# Altium PCB PT1000_16CH.PCBDOC (part 1 of 5) (continued)
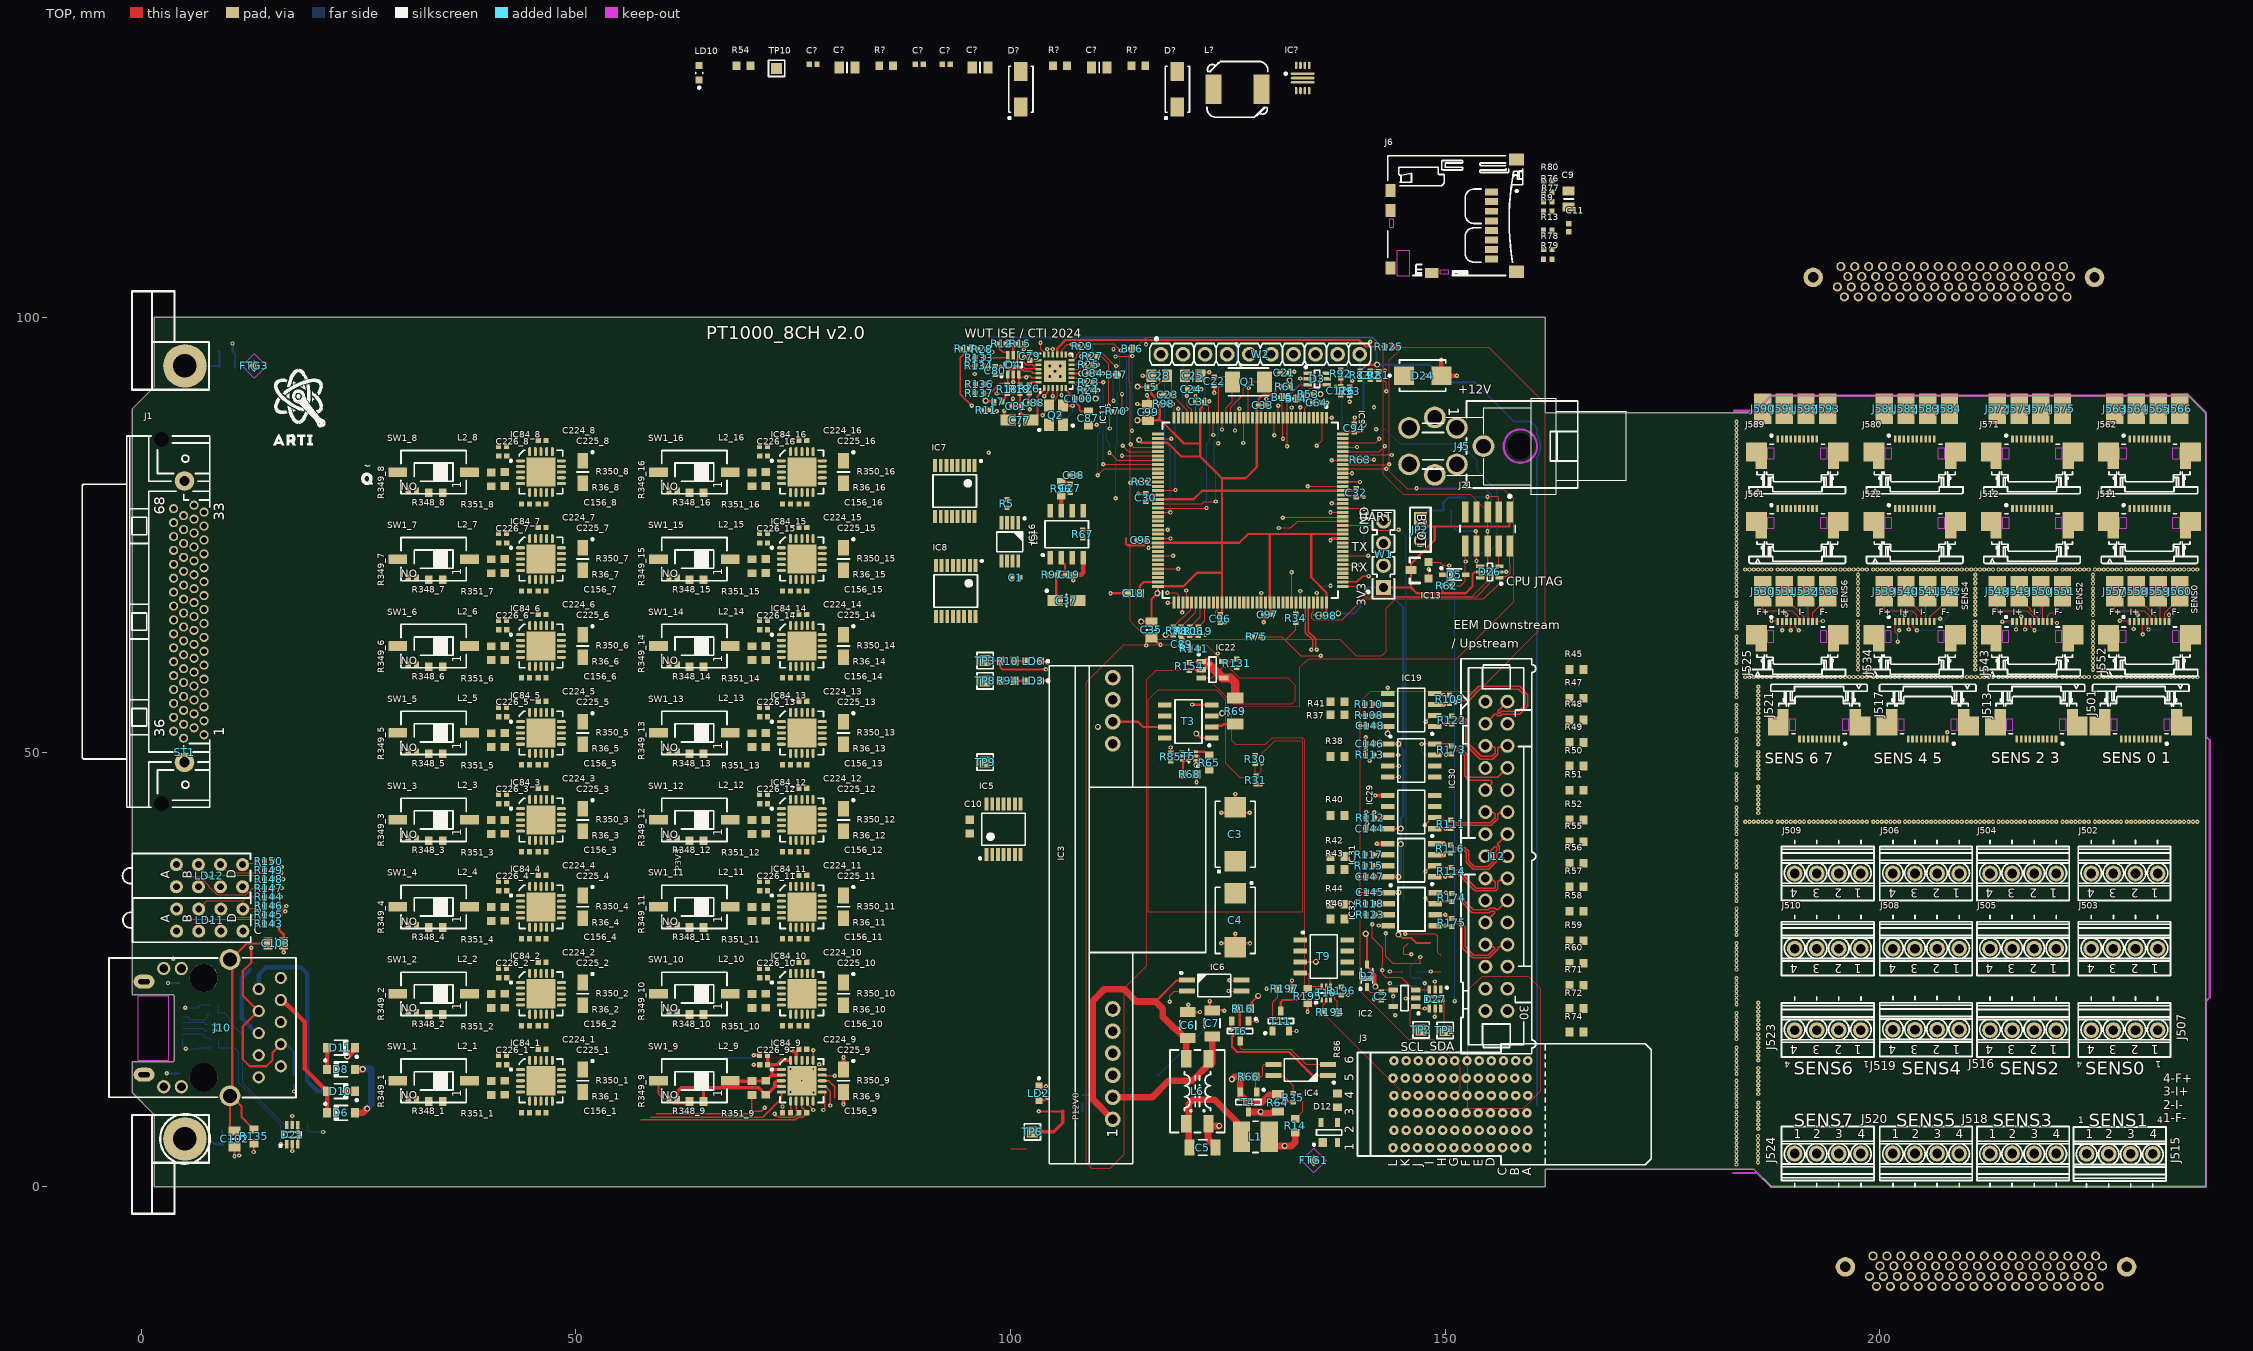
[diagram p0: TOP view]
## Classes and differential pairs
component class U_Breakout2: J500 J501 J502 J503 J504 J505 J506 J507 J508 J509 J510 J511 J512 J513 J514 J515 J516 J517 J518 J519 J520 J521 J522 J523 J524 J525 J526 J527 J528 J529 J530 J531 J532 J533 J534 J535 J536 J537 J538 J539 J540 J541 J542 J543 J544 J545 J546 J547 J548 J549 J550 J551 J552 J553 J554 J555 J556 J557 J558 J559 J560 J561 J562 J563 J564 J565 J566 J567 J568 J569 J570 J571 J572 J573 J574 J575 J576 J577 J578 J579 J580 J581 J582 J583 J584 J585 J586 J587 J588 J589 J590 J591 J592 J593 J594 J595 J596 J597
net class PWR: P12V0
component class RTD_15: C156_16 C224_16 C225_16 C226_16 IC84_16 L2_16 R36_16 R348_16 R349_16 R350_16 R351_16 SW1_16
component class RTD_14: C156_15 C224_15 C225_15 C226_15 IC84_15 L2_15 R36_15 R348_15 R349_15 R350_15 R351_15 SW1_15
component class RTD_13: C156_14 C224_14 C225_14 C226_14 IC84_14 L2_14 R36_14 R348_14 R349_14 R350_14 R351_14 SW1_14
component class RTD_12: C156_13 C224_13 C225_13 C226_13 IC84_13 L2_13 R36_13 R348_13 R349_13 R350_13 R351_13 SW1_13
component class RTD_11: C156_12 C224_12 C225_12 C226_12 IC84_12 L2_12 R36_12 R348_12 R349_12 R350_12 R351_12 SW1_12
component class RTD_10: C156_11 C224_11 C225_11 C226_11 IC84_11 L2_11 R36_11 R348_11 R349_11 R350_11 R351_11 SW1_11
component class RTD_09: C156_10 C224_10 C225_10 C226_10 IC84_10 L2_10 R36_10 R348_10 R349_10 R350_10 R351_10 SW1_10
component class RTD_08: C156_9 C224_9 C225_9 C226_9 IC84_9 L2_9 R36_9 R348_9 R349_9 R350_9 R351_9 SW1_9
component class RTD_07: C156_8 C224_8 C225_8 C226_8 IC84_8 L2_8 R36_8 R348_8 R349_8 R350_8 R351_8 SW1_8
component class RTD_06: C156_7 C224_7 C225_7 C226_7 IC84_7 L2_7 R36_7 R348_7 R349_7 R350_7 R351_7 SW1_7
component class RTD_05: C156_6 C224_6 C225_6 C226_6 IC84_6 L2_6 R36_6 R348_6 R349_6 R350_6 R351_6 SW1_6
component class RTD_04: C156_5 C224_5 C225_5 C226_5 IC84_5 L2_5 R36_5 R348_5 R349_5 R350_5 R351_5 SW1_5
channel class RTD: RTD_00 RTD_01 RTD_02 RTD_03 RTD_04 RTD_05 RTD_06 RTD_07 RTD_08 RTD_09 RTD_10 RTD_11 RTD_12 RTD_13 RTD_14 RTD_15
component class RTD_03: C156_4 C224_4 C225_4 C226_4 IC84_4 L2_4 R36_4 R348_4 R349_4 R350_4 R351_4 SW1_4
component class RTD_02: C156_3 C224_3 C225_3 C226_3 IC84_3 L2_3 R36_3 R348_3 R349_3 R350_3 R351_3 SW1_3
component class RTD_01: C156_2 C224_2 C225_2 C226_2 IC84_2 L2_2 R36_2 R348_2 R349_2 R350_2 R351_2 SW1_2
component class RTD_00: C156_1 C224_1 C225_1 C226_1 IC84_1 L2_1 R36_1 R348_1 R349_1 R350_1 R351_1 SW1_1
net class HPOW: NetC5_1 NetC5_2 NetC6_2 NetC7_2 P12V0 P12V0_IN P12V0_POE POE_VC+ POE_VC-
component class EEM_connector: C1 C2 C10 C144 C145 C146 C147 C148 D2 D12 D27 IC1 IC2 IC5 IC19 IC23 IC29 IC30 IC31 IC32 IC36 IC39 IC40 IC41 J3 J12 LD1 R5 R6 R45 R47 R48 R49 R50 R51 R52 R55 R56 R57 R58 R59 R60 R71 R72 R74 R86 R108 R109 R110 R111 R112 R113 R114 R115 R116 R117 R118 R122 R123 R173 R174 R175 R194 R195 R196 R197 T9 T10 T11 TP1 TP2 TP3
component class Thermostat_16CH: C160 C161 D3 FTG1 FTG2 FTG3 FTG4 IC7 IC8 J1 R37 R38 R40 R41 R42 R43 R44 R46 R220 R223 SCREW5 SCREW6 SCREW7 SCREW8 ST1 Standoff1 Standoff2 Standoff4
net class HV: NetC5_1 NetC5_2 NetC6_2 NetC7_2 NetIC3_3 NetIC4_3 NetIC4_4 POE_IN1 POE_IN2 POE_IN3 POE_IN4 POE_VC+ POE_VC-
component class USB: C108 C109 D21 F1 FB1 FB2 J9 L9 R73 R75
component class U_STM32_F4CPU: B14 B15 C9 C11 C17 C18 C21 C22 C23 C24 C25 C28 C29 C30 C31 C32 C33 C35 C64 C92 C94 C95 C96 C97 C98 C99 C126 D5 D26 IC9 IC13 J6 J21 JP2 L5 LD11 LD12 Q1 R7 R8 R9 R13 R32 R33 R34 R53 R61 R62 R63 R70 R76 R77 R78 R79 R80 R81 R83 R92 R93 R106 R119 R143 R144 R145 R146 R147 R148 R149 R150 W1 W2
component class RMII_Ethernet: B16 B17 C36 C65 C77 C79 C80 C81 C84 C85 C87 C88 C100 C102 C103 D4 D6 D7 D8 D9 D10 D11 D22 D23 IC11 J10 L7 Q2 R11 R12 R15 R17 R18 R19 R20 R21 R22 R23 R24 R25 R26 R27 R28 R29 R98 R99 R125 R133 R134 R135 R136 R137
component class U_Thermostat_Supply: C3 C4 C5 C6 C7 C19 C27 C37 C38 C89 C? D24 D? IC3 IC4 IC6 IC16 IC22 IC? J4 J5 L1 L6 L? LD2 LD3 LD6 LD10 R10 R14 R16 R30 R31 R35 R54 R64 R65 R66 R67 R68 R69 R85 R90 R94 R96 R97 R131 R141 R154 R? T3 T4 T5 T6 TP6 TP8 TP9 TP10
differential pair BP_IO.LVDS7: +BP_IO.LVDS7_P -BP_IO.LVDS7_N
differential pair BP_IO.LVDS6: +BP_IO.LVDS6_P -BP_IO.LVDS6_N
differential pair BP_IO.LVDS5: +BP_IO.LVDS5_P -BP_IO.LVDS5_N
differential pair BP_IO.LVDS4: +BP_IO.LVDS4_P -BP_IO.LVDS4_N
differential pair BP_IO.LVDS3: +BP_IO.LVDS3_P -BP_IO.LVDS3_N
differential pair BP_IO.LVDS2: +BP_IO.LVDS2_P -BP_IO.LVDS2_N
differential pair LVDS7: +LVDS7_P -LVDS7_N
differential pair LVDS6: +LVDS6_P -LVDS6_N
differential pair LVDS5: +LVDS5_P -LVDS5_N
differential pair LVDS4: +LVDS4_P -LVDS4_N
differential pair LVDS3: +LVDS3_P -LVDS3_N
differential pair LVDS2: +LVDS2_P -LVDS2_N
differential pair LVDS1: +LVDS1_P -LVDS1_N
differential pair LVDS0: +LVDS0_P -LVDS0_N
differential pair TD: +TD_P -TD_N
differential pair RD: +RD_P -RD_N
differential pair USB: +USB_P -USB_N
differential pair USBJ: +USBJ_P -USBJ_N
differential pair PHY_TD: +PHY_TD_P -PHY_TD_N
differential pair PHY_RD: +PHY_RD_P -PHY_RD_N

## Components (designator, comment, footprint, x,y, rotation, side; value= is the part's Value field where it differs from the comment)
B14 "SMD Pad" C100 132.866,90.634 r90 top
B15 "SMD Pad" C100 131.232,90.836 r90 top
B16 "SMD Pad" C100 113.989,96.413 r0 top
B17 "SMD Pad" C100 112.217,93.396 r0 top
C1 "100nF" CAPC1005X55N 100.619,70.079 r0 top
C2 "100nF" CAPC1005X55N 142.643,21.942 r90 top
C3 "220uF" CAPMP7343X430N 125.85,40.558 r90 top
C4 "220uF" CAPMP7343X430N 125.85,30.642 r270 top
C5 "4.7nF" CAPC3216X140N 122.102,4.521 r180 top
C6 "4.7nF" CAPC3216X140N 120.4,18.6 r270 top
C7 "4.7nF" CAPC3216X140N 123.2,18.8 r270 top
C9 "22uF" CAPC2012X135N 164.19,113.61 r270 top
C10 "100nF" CAPC1608X87N 95.325,41.426 r90 top
C11 "100nF" CAPC1005X55N 164.2,110.3 r270 top
C17 "2.2uF" CAPC1608X90N 135.269,69.119 r180 bottom
C18 "2.2uF" CAPC1608X90N 114.112,68.269 r0 top
C19 "100nF" CAPC1005X55N 106.775,70.4 r0 top
C21 "12pF" CAPC1005X55N 131.485,93.63 r0 top
C22 "12pF" CAPC1005X55N 123.435,92.657 r270 top
C23 "10nF" CAPC1005X55N 118.097,91.1 r180 top
C24 "10nF" CAPC1005X55N 120.806,91.732 r0 top
C25 "1uF" CAPC2012X110N 120.951,93.262 r180 top
C27 "10nF" CAPC1005X55N 106.875,80.35 r270 top
C28 "1uF" CAPC2012X110N 117.122,93.301 r0 top
C29 "100nF" CAPC1005X55N 152.793,79.297 r0 bottom
C30 "100nF" CAPC1005X55N 115.553,79.269 r90 top
C31 "100nF" CAPC1005X55N 121.728,90.3 r180 top
C32 "100nF" CAPC1005X55N 139.778,79.819 r270 top
C33 "100nF" CAPC1005X55N 128.985,89.912 r0 top
C35 "10uF" CAPC2012X135N 116.207,64.05 r270 top
C36 "18pF" CAPC1005X55N 105.12,89.725 r180 bottom
C37 "10uF" CAPMP3216X180N 106.45,67.425 r0 top
C38 "100nF" CAPC1005X55N 107.3,81.832 r180 top
C64 "100nF" CAPC1005X55N 135.203,90.187 r0 top
C65 "18pF" CAPC1005X55N 105.589,88.005 r180 bottom
C77 "10uF" CAPMP3216X180N 101.045,88.175 r180 top
C79 "100nF" CAPC1005X55N 102.22,95.499 r90 top
C80 "100nF" CAPC1005X55N 98.252,93.873 r270 top
C81 "100nF" CAPC1005X55N 100.645,89.8 r0 top
C84 "100nF" CAPC1005X55N 109.44,93.55 r180 top
C85 "100nF" CAPC1005X55N 17.577,12.122 r90 bottom
C87 "1uF" CAPC1608X87N 108.97,88.375 r90 top
C88 "100nF" CAPC1005X55N 102.67,90.175 r0 top
C89 "10nF" CAPC1005X55N 119.71,62.395 r90 top
C92 "100nF" CAPC1005X55N 141.364,93.334 r90 top
C94 "100nF" CAPC1005X55N 139.553,87.269 r90 top
C95 "100nF" CAPC1005X55N 115.032,74.341 r180 top
C96 "100nF" CAPC1005X55N 124.111,65.359 r270 top
C97 "100nF" CAPC1005X55N 129.578,65.819 r180 top
C98 "100nF" CAPC1005X55N 136.328,65.708 r180 top
C99 "10uF" CAPC2012X135N 115.828,89.069 r90 top
C100 "1nF" CAPC1005X55N 107.845,90.625 r180 top
C102 "Undefined" CAPC2012X135N 10.754,5.512 r270 top
C103 "Undefined" CAPC2012X135N 15.5,28 r0 top
C108 "100nF" CAPC1005X55N 8.485,15.975 r0 bottom
C109 "100nF" CAPC1005X55N 8.373,20.955 r0 bottom
C126 "100nF" CAPC1005X55N 138,91.55 r270 top
C144 "100nF" CAPC1005X55N 141.312,41.193 r0 top
C145 "100nF" CAPC1005X55N 141.395,33.875 r0 top
C146 "100nF" CAPC1005X55N 141.312,50.968 r0 top
C147 "100nF" CAPC1005X55N 141.312,35.656 r0 top
C148 "100nF" CAPC1005X55N 141.362,53.025 r0 top
C156_1 "100nF" CAPC1005X55N 46.13,8.53 r0 top (schematic designator C156)
C156_2 "100nF" CAPC1005X55N 46.13,18.53 r0 top (schematic designator C156)
C156_3 "100nF" CAPC1005X55N 46.13,38.53 r0 top (schematic designator C156)
C156_4 "100nF" CAPC1005X55N 46.13,28.53 r0 top (schematic designator C156)
C156_5 "100nF" CAPC1005X55N 46.13,48.53 r0 top (schematic designator C156)
C156_6 "100nF" CAPC1005X55N 46.13,58.53 r0 top (schematic designator C156)
C156_7 "100nF" CAPC1005X55N 46.13,68.53 r0 top (schematic designator C156)
C156_8 "100nF" CAPC1005X55N 46.13,78.53 r0 top (schematic designator C156)
C156_9 "100nF" CAPC1005X55N 76.13,8.53 r0 top (schematic designator C156)
C156_10 "100nF" CAPC1005X55N 76.13,18.53 r0 top (schematic designator C156)
C156_11 "100nF" CAPC1005X55N 76.13,28.53 r0 top (schematic designator C156)
C156_12 "100nF" CAPC1005X55N 76.13,38.53 r0 top (schematic designator C156)
C156_13 "100nF" CAPC1005X55N 76.13,48.53 r0 top (schematic designator C156)
C156_14 "100nF" CAPC1005X55N 76.13,58.53 r0 top (schematic designator C156)
C156_15 "100nF" CAPC1005X55N 76.13,68.53 r0 top (schematic designator C156)
C156_16 "100nF" CAPC1005X55N 76.13,78.53 r0 top (schematic designator C156)
C160 "Undefined" CAPC2012X135N 9.925,94.312 r0 bottom
C161 "Undefined" CAPC2012X135N 10.339,4.75 r0 bottom
C224_1 "100nF" CAPC1005X55N 46.13,15.83 r0 top (schematic designator C224)
C224_2 "100nF" CAPC1005X55N 46.13,25.83 r0 top (schematic designator C224)
C224_3 "100nF" CAPC1005X55N 46.13,45.83 r0 top (schematic designator C224)
C224_4 "100nF" CAPC1005X55N 46.13,35.83 r0 top (schematic designator C224)
C224_5 "100nF" CAPC1005X55N 46.13,55.83 r0 top (schematic designator C224)
C224_6 "100nF" CAPC1005X55N 46.13,65.83 r0 top (schematic designator C224)
C224_7 "100nF" CAPC1005X55N 46.13,75.83 r0 top (schematic designator C224)
C224_8 "100nF" CAPC1005X55N 46.13,85.83 r0 top (schematic designator C224)
C224_9 "100nF" CAPC1005X55N 76.13,15.83 r0 top (schematic designator C224)
C224_10 "100nF" CAPC1005X55N 76.13,25.83 r0 top (schematic designator C224)
C224_11 "100nF" CAPC1005X55N 76.13,35.83 r0 top (schematic designator C224)
C224_12 "100nF" CAPC1005X55N 76.13,45.83 r0 top (schematic designator C224)
C224_13 "100nF" CAPC1005X55N 76.13,55.83 r0 top (schematic designator C224)
C224_14 "100nF" CAPC1005X55N 76.13,65.83 r0 top (schematic designator C224)
C224_15 "100nF" CAPC1005X55N 76.13,75.83 r0 top (schematic designator C224)
C224_16 "100nF" CAPC1005X55N 76.13,85.83 r0 top (schematic designator C224)
C225_1 "10uF" CAPMP3216X180N 50.8,12.2 r270 top (schematic designator C225)
C225_2 "10uF" CAPMP3216X180N 50.8,22.2 r270 top (schematic designator C225)
C225_3 "10uF" CAPMP3216X180N 50.8,42.2 r270 top (schematic designator C225)
C225_4 "10uF" CAPMP3216X180N 50.8,32.2 r270 top (schematic designator C225)
C225_5 "10uF" CAPMP3216X180N 50.8,52.2 r270 top (schematic designator C225)
C225_6 "10uF" CAPMP3216X180N 50.8,62.2 r270 top (schematic designator C225)
C225_7 "10uF" CAPMP3216X180N 50.8,72.2 r270 top (schematic designator C225)
C225_8 "10uF" CAPMP3216X180N 50.8,82.2 r270 top (schematic designator C225)
C225_9 "10uF" CAPMP3216X180N 80.8,12.2 r270 top (schematic designator C225)
C225_10 "10uF" CAPMP3216X180N 80.8,22.2 r270 top (schematic designator C225)
C225_11 "10uF" CAPMP3216X180N 80.8,32.2 r270 top (schematic designator C225)
C225_12 "10uF" CAPMP3216X180N 80.8,42.2 r270 top (schematic designator C225)
C225_13 "10uF" CAPMP3216X180N 80.8,52.2 r270 top (schematic designator C225)
C225_14 "10uF" CAPMP3216X180N 80.8,62.2 r270 top (schematic designator C225)
C225_15 "10uF" CAPMP3216X180N 80.8,72.2 r270 top (schematic designator C225)
C225_16 "10uF" CAPMP3216X180N 80.8,82.2 r270 top (schematic designator C225)
C226_1 "100nF" CAPC1005X55N 41.6,14.05 r0 top (schematic designator C226)
C226_2 "100nF" CAPC1005X55N 41.6,24.05 r0 top (schematic designator C226)
C226_3 "100nF" CAPC1005X55N 41.6,44.05 r0 top (schematic designator C226)
C226_4 "100nF" CAPC1005X55N 41.6,34.05 r0 top (schematic designator C226)
C226_5 "100nF" CAPC1005X55N 41.6,54.05 r0 top (schematic designator C226)
C226_6 "100nF" CAPC1005X55N 41.6,64.05 r0 top (schematic designator C226)
C226_7 "100nF" CAPC1005X55N 41.6,74.05 r0 top (schematic designator C226)
C226_8 "100nF" CAPC1005X55N 41.6,84.05 r0 top (schematic designator C226)
C226_9 "100nF" CAPC1005X55N 71.6,14.05 r0 top (schematic designator C226)
C226_10 "100nF" CAPC1005X55N 71.6,24.05 r0 top (schematic designator C226)
C226_11 "100nF" CAPC1005X55N 71.6,34.05 r0 top (schematic designator C226)
C226_12 "100nF" CAPC1005X55N 71.6,44.05 r0 top (schematic designator C226)
C226_13 "100nF" CAPC1005X55N 71.6,54.05 r0 top (schematic designator C226)
C226_14 "100nF" CAPC1005X55N 71.6,64.05 r0 top (schematic designator C226)
C226_15 "100nF" CAPC1005X55N 71.6,74.05 r0 top (schematic designator C226)
C226_16 "100nF" CAPC1005X55N 71.6,84.05 r0 top (schematic designator C226)
C? "100nF" CAPC1005X55N 77.3,129.125 r0 top
C? "100nF" CAPC1005X55N 92.6,129.125 r0 top
C? "22uF" CAPC2012X135N 110.2,128.725 r0 top
C? "22uF" CAPC2012X135N 81.2,128.725 r0 top
C? "100nF" CAPC1005X55N 89.5,129.125 r0 top
C? "22uF" CAPC2012X135N 96.5,128.725 r0 top
D2 "BAT165" SOD2512X110N 141,24.265 r90 top
D3 "DRTR5V0U4S-7" SOT65P210X110-6N 135.275,92.925 r0 top
D4 "DRTR5V0U4S-7" SOT65P210X110-6N 100.31,94.53 r90 top
D5 "BAT165" SOD2512X110N 151.056,70.406 r0 top
D6 "PMEG6020ER" SODFL3517X110N 23,8.5 r0 top
D7 "PMEG6020ER" SODFL3517X110N 23,16 r180 bottom
D8 "PMEG6020ER" SODFL3517X110N 23,13.5 r0 top
D9 "PMEG6020ER" SODFL3517X110N 23,8.5 r0 bottom
D10 "PMEG6020ER" SODFL3517X110N 23,11 r180 top
D11 "PMEG6020ER" SODFL3517X110N 23,16 r180 top
D12 "PRTR5V0U2X" SOT190P230X110-4N 136.649,6.25 r90 top
D21 "DRTR5V0U4S-7" SOT65P210X110-6N 17.4,6 r90 top
D22 "PMEG6020ER" SODFL3517X110N 23,11 r180 bottom
D23 "PMEG6020ER" SODFL3517X110N 23,13.5 r0 bottom
D24 "SMBJ15A" DIOM5336X265N 147.4,93.3 r0 top
D26 "DRTR5V0U4S-7" SOT65P210X110-6N 155.14,70.713 r180 top
D27 "DRTR5V0U4S-7" SOT65P210X110-6N 148.837,21.602 r270 top
D? "SS16" DIOM5127X229N 101.2,126.225 r90 top
D? "SS16" DIOM5127X229N 119.2,126.225 r90 top
F1 "500mA-6V" FUSR_BOURNS_MF-PSMF050 23,4.119 r0 bottom
FB1 "220R@100MHz" INDC1005X55N 8.398,20.005 r180 bottom
FB2 "220R@100MHz" INDC1005X55N 8.485,16.925 r180 bottom
FTG1 "Use only in PCB" FIDUCIAL_TOP_S100-200 134.874,3.048 r90 top
FTG2 "Use only in PCB" FIDUCIAL_TOP_S100-200 13.03,94.498 r0 bottom
FTG3 "Use only in PCB" FIDUCIAL_TOP_S100-200 13.03,94.412 r90 top
FTG4 "Use only in PCB" FIDUCIAL_TOP_S100-200 134.874,3.048 r90 bottom
IC1 "LM75AIMM/NOPB" SOP65P490X109-8N 99.919,74.177 r270 top
IC2 "24AA02E48T-I/OT" SOT95P280X145-5N 145.319,21.702 r180 top
IC3 "AG5300" SILVERTEL_AG5300 111.76,33.159 r90 top locked
IC4 "ACPL-217-500E" SOIC127P700X242-4N 133.379,13.437 r180 top
IC5 "74HC4066PW" SOP65P640X110-14N 99.2,41.124 r90 top
IC6 "ACPL-217-500E" SOIC127P700X242-4N 123.433,23.152 r0 top
IC7 "74HC138PW" SOP65P640X110-16N 93.6,80.029 r270 top
IC8 "74HC138PW" SOP65P640X110-16N 93.7,68.53 r270 top
IC9 "STM32H743ZIT6" FP-LQFP144-1A-MFG 127.578,77.819 r270 top
IC11 "LAN8742A-CZ-TR" QFN24_0R5_4X4 105.12,93.8 r90 top
IC13 "STM809SWX6F" SOT-23 148.088,69.956 r90 top
IC16 "ADR433BRZ" SOIC127P600X175-8N 106.472,75.061 r90 top
IC19 "FIN1028MX" SOIC127P600X175-8N 146.094,54.846 r180 top
IC22 "LT6106CS5#TRMPBF" SOT95P280X145-5N 123.25,59.481 r0 top
IC23 "FIN1027AMX" SOIC127P600X175-8N 146.094,54.846 r0 bottom
IC29 "FIN1028MX" SOIC127P600X175-8N 146.094,43.098 r180 top
IC30 "FIN1027AMX" SOIC127P600X175-8N 146.094,49.032 r0 top
IC31 "FIN1028MX" SOIC127P600X175-8N 146.094,37.561 r180 top
IC32 "FIN1027AMX" SOIC127P600X175-8N 146.125,31.925 r0 top
IC36 "FIN1027AMX" SOIC127P600X175-8N 146.094,43.098 r0 bottom
IC39 "FIN1028MX" SOIC127P600X175-8N 146.094,49.031 r180 bottom
IC40 "FIN1027AMX" SOIC127P600X175-8N 146.094,37.561 r0 bottom
IC41 "FIN1028MX" SOIC127P600X175-8N 146.125,31.925 r180 bottom
IC84_1 "MAX31865ATP+" QFN65P500X500X80-21N-S335 46,12.2 r0 top (schematic designator IC84)
IC84_2 "MAX31865ATP+" QFN65P500X500X80-21N-S335 46,22.2 r0 top (schematic designator IC84)
IC84_3 "MAX31865ATP+" QFN65P500X500X80-21N-S335 46,42.2 r0 top (schematic designator IC84)
IC84_4 "MAX31865ATP+" QFN65P500X500X80-21N-S335 46,32.2 r0 top (schematic designator IC84)
IC84_5 "MAX31865ATP+" QFN65P500X500X80-21N-S335 46,52.2 r0 top (schematic designator IC84)
IC84_6 "MAX31865ATP+" QFN65P500X500X80-21N-S335 46,62.2 r0 top (schematic designator IC84)
IC84_7 "MAX31865ATP+" QFN65P500X500X80-21N-S335 46,72.2 r0 top (schematic designator IC84)
IC84_8 "MAX31865ATP+" QFN65P500X500X80-21N-S335 46,82.2 r0 top (schematic designator IC84)
IC84_9 "MAX31865ATP+" QFN65P500X500X80-21N-S335 76,12.2 r0 top locked (schematic designator IC84)
IC84_10 "MAX31865ATP+" QFN65P500X500X80-21N-S335 76,22.2 r0 top (schematic designator IC84)
IC84_11 "MAX31865ATP+" QFN65P500X500X80-21N-S335 76,32.2 r0 top (schematic designator IC84)
IC84_12 "MAX31865ATP+" QFN65P500X500X80-21N-S335 76,42.2 r0 top (schematic designator IC84)
IC84_13 "MAX31865ATP+" QFN65P500X500X80-21N-S335 76,52.2 r0 top (schematic designator IC84)
IC84_14 "MAX31865ATP+" QFN65P500X500X80-21N-S335 76,62.2 r0 top (schematic designator IC84)
IC84_15 "MAX31865ATP+" QFN65P500X500X80-21N-S335 76,72.2 r0 top (schematic designator IC84)
IC84_16 "MAX31865ATP+" QFN65P500X500X80-21N-S335 76,82.2 r0 top (schematic designator IC84)
IC? "TPS62148RGX" TEXAS_RGX0011A 133.6,127.525 r0 top
J1 "DNP" MOLEX_71430-0013 5.5,65 r90 top
J3 "P1" AMPHENOL_10052825-101LF 151.75,9.5 r90 top
J4 "Jack" SWITCHCRAFT_L712RA 148.797,81.885 r180 top
J5 "Mini-Fit Jr.™" MOLEX_39-30-0040 148.591,85.185 r270 top
J6 "microSD" MOLEX_502570-0893 155.3,110.55 r270 top
J9 "USB" UJ2-MIBH-4-MSMT 0.1,18.25 r270 bottom
J10 "RJ45" ABRACON_ARJM11C7-114-BA-EW2 7.189,18.31 r270 top locked
J12 "" 3M_N2530-6002RB 155.884,38.018 r270 top locked
J21 "Header 10" HARWIN_M50-3600542 154.864,75.667 r180 top
J500 "DNP" MOLEX_71430-0013 208.495,104.1 r180 bottom
J501 "FFC/FPC" MOLEX_52745-1097#1 229.995,51.5 r180 top
J502 "" PHOENIX_1725672 228.115,36.036 r180 top
J503 "" PHOENIX_1725672 228.115,27.4 r180 top
J504 "" PHOENIX_1725672 216.464,36.036 r180 top
J505 "" PHOENIX_1725672 216.464,27.4 r180 top
J506 "" PHOENIX_1725672 205.294,36.036 r180 top
J507 "" PHOENIX_1725672 228.115,18.033 r180 top
J508 "" PHOENIX_1725672 205.294,27.4 r180 top
J509 "" PHOENIX_1725672 193.994,36.036 r180 top
J510 "" PHOENIX_1725672 193.994,27.4 r180 top
J511 "FFC/FPC" MOLEX_52745-1097#2 230.995,78 r0 top
J512 "FFC/FPC" MOLEX_52745-1097#2 217.495,78 r0 top
J513 "FFC/FPC" MOLEX_52745-1097#1 217.995,51.5 r180 top
J514 "DNP" MOLEX_71430-0013 212.195,-9.7 r180 bottom
J515 "" PHOENIX_1725672 227.574,3.783 r0 top
J516 "" PHOENIX_1725672 216.464,18.033 r180 top
J517 "FFC/FPC" MOLEX_52745-1097#1 205.495,51.5 r180 top
J518 "" PHOENIX_1725672 216.464,3.833 r0 top
J519 "" PHOENIX_1725672 205.294,18.083 r180 top
J520 "" PHOENIX_1725672 205.294,3.833 r0 top
J521 "FFC/FPC" MOLEX_52745-1097#1 192.995,51.5 r180 top
J522 "FFC/FPC" MOLEX_52745-1097#2 203.995,78 r0 top
J523 "" PHOENIX_1725672 193.994,18.033 r180 top
J524 "" PHOENIX_1725672 193.994,3.833 r0 top
J525 "FFC/FPC" MOLEX_52745-1097#1 190.495,65 r0 top
J526 "SMD Pad" R350X200 186.495,68.5 r270 bottom
J527 "SMD Pad" R350X200 188.995,68.5 r270 bottom
J528 "SMD Pad" R350X200 191.495,68.5 r270 bottom
J529 "SMD Pad" R350X200 193.995,68.5 r270 bottom
J530 "SMD Pad" R350X200 186.495,68.5 r90 top
J531 "SMD Pad" R350X200 188.995,68.5 r90 top
J532 "SMD Pad" R350X200 191.495,68.5 r90 top
J533 "SMD Pad" R350X200 193.995,68.5 r90 top
J534 "FFC/FPC" MOLEX_52745-1097#1 203.995,65 r0 top
J535 "SMD Pad" R350X200 200.495,68.5 r270 bottom
J536 "SMD Pad" R350X200 202.995,68.5 r270 bottom
J537 "SMD Pad" R350X200 205.495,68.5 r270 bottom
J538 "SMD Pad" R350X200 207.995,68.5 r270 bottom
J539 "SMD Pad" R350X200 200.495,68.5 r90 top
J540 "SMD Pad" R350X200 202.995,68.5 r90 top
J541 "SMD Pad" R350X200 205.495,68.5 r90 top
J542 "SMD Pad" R350X200 207.995,68.5 r90 top
J543 "FFC/FPC" MOLEX_52745-1097#1 217.495,65 r0 top
J544 "SMD Pad" R350X200 213.495,68.5 r270 bottom
J545 "SMD Pad" R350X200 215.995,68.5 r270 bottom
J546 "SMD Pad" R350X200 218.495,68.5 r270 bottom
J547 "SMD Pad" R350X200 220.995,68.5 r270 bottom
J548 "SMD Pad" R350X200 213.495,68.5 r90 top
J549 "SMD Pad" R350X200 215.995,68.5 r90 top
J550 "SMD Pad" R350X200 218.495,68.5 r90 top
J551 "SMD Pad" R350X200 220.995,68.5 r90 top
J552 "FFC/FPC" MOLEX_52745-1097#1 230.995,65 r0 top
J553 "SMD Pad" R350X200 226.995,68.5 r90 bottom
J554 "SMD Pad" R350X200 229.495,68.5 r90 bottom
J555 "SMD Pad" R350X200 231.995,68.5 r90 bottom
J556 "SMD Pad" R350X200 234.495,68.5 r90 bottom
J557 "SMD Pad" R350X200 226.995,68.5 r270 top
J558 "SMD Pad" R350X200 229.495,68.5 r270 top
J559 "SMD Pad" R350X200 231.995,68.5 r270 top
J560 "SMD Pad" R350X200 234.495,68.5 r270 top
J561 "FFC/FPC" MOLEX_52745-1097#2 190.495,78 r0 top
J562 "FFC/FPC" MOLEX_52745-1097#2 230.995,86 r0 top
J563 "SMD Pad" R350X200 226.995,89.5 r90 top
J564 "SMD Pad" R350X200 229.495,89.5 r90 top
J565 "SMD Pad" R350X200 231.995,89.5 r90 top
J566 "SMD Pad" R350X200 234.495,89.5 r90 top
J567 "SMD Pad" R350X200 226.995,89.5 r90 bottom
J568 "SMD Pad" R350X200 229.495,89.5 r90 bottom
J569 "SMD Pad" R350X200 231.995,89.5 r90 bottom
J570 "SMD Pad" R350X200 234.495,89.5 r90 bottom
J571 "FFC/FPC" MOLEX_52745-1097#2 217.495,86 r0 top
J572 "SMD Pad" R350X200 213.495,89.5 r90 top
J573 "SMD Pad" R350X200 215.995,89.5 r90 top
J574 "SMD Pad" R350X200 218.495,89.5 r90 top
J575 "SMD Pad" R350X200 220.995,89.5 r90 top
J576 "SMD Pad" R350X200 213.495,89.5 r90 bottom
J577 "SMD Pad" R350X200 215.995,89.5 r90 bottom
J578 "SMD Pad" R350X200 218.495,89.5 r90 bottom
J579 "SMD Pad" R350X200 220.995,89.5 r90 bottom
J580 "FFC/FPC" MOLEX_52745-1097#2 203.995,86 r0 top
J581 "SMD Pad" R350X200 200.495,89.5 r90 top
J582 "SMD Pad" R350X200 202.995,89.5 r90 top
J583 "SMD Pad" R350X200 205.495,89.5 r90 top
J584 "SMD Pad" R350X200 207.995,89.5 r90 top
J585 "SMD Pad" R350X200 200.495,89.5 r90 bottom
J586 "SMD Pad" R350X200 202.995,89.5 r90 bottom
J587 "SMD Pad" R350X200 205.495,89.5 r90 bottom
J588 "SMD Pad" R350X200 207.995,89.5 r90 bottom
J589 "FFC/FPC" MOLEX_52745-1097#2 190.495,86 r0 top
J590 "SMD Pad" R350X200 186.495,89.5 r90 top
J591 "SMD Pad" R350X200 188.995,89.5 r90 top
J592 "SMD Pad" R350X200 191.495,89.5 r90 top
J593 "SMD Pad" R350X200 193.995,89.5 r90 top
J594 "SMD Pad" R350X200 186.495,89.5 r90 bottom
J595 "SMD Pad" R350X200 188.995,89.5 r90 bottom
J596 "SMD Pad" R350X200 191.495,89.5 r90 bottom
J597 "SMD Pad" R350X200 193.995,89.5 r90 bottom
JP2 "1798942 (goldpin 2x 2.54)" jump 147.131,76.861 r0 top
L1 "10uH" IND_MURATA-PS_8400 128.172,5.74 r180 top
L2_1 "220R@100MHz" INDC1005X55N 41.585,15.148 r180 top (schematic designator L2)
L2_2 "220R@100MHz" INDC1005X55N 41.585,25.148 r180 top (schematic designator L2)
L2_3 "220R@100MHz" INDC1005X55N 41.585,45.148 r180 top (schematic designator L2)
L2_4 "220R@100MHz" INDC1005X55N 41.585,35.148 r180 top (schematic designator L2)
L2_5 "220R@100MHz" INDC1005X55N 41.585,55.148 r180 top (schematic designator L2)
L2_6 "220R@100MHz" INDC1005X55N 41.585,65.148 r180 top (schematic designator L2)
L2_7 "220R@100MHz" INDC1005X55N 41.585,75.148 r180 top (schematic designator L2)
L2_8 "220R@100MHz" INDC1005X55N 41.585,85.148 r180 top (schematic designator L2)
L2_9 "220R@100MHz" INDC1005X55N 71.585,15.148 r180 top (schematic designator L2)
L2_10 "220R@100MHz" INDC1005X55N 71.585,25.148 r180 top (schematic designator L2)
L2_11 "220R@100MHz" INDC1005X55N 71.585,35.148 r180 top (schematic designator L2)
L2_12 "220R@100MHz" INDC1005X55N 71.585,45.148 r180 top (schematic designator L2)
L2_13 "220R@100MHz" INDC1005X55N 71.585,55.148 r180 top (schematic designator L2)
L2_14 "220R@100MHz" INDC1005X55N 71.585,65.148 r180 top (schematic designator L2)
L2_15 "220R@100MHz" INDC1005X55N 71.585,75.148 r180 top (schematic designator L2)
L2_16 "220R@100MHz" INDC1005X55N 71.585,85.148 r180 top (schematic designator L2)
L5 "220R@100MHz" INDC1005X55N 116.153,91.951 r180 top
L6 "2x1mH" IND_WURTH_WE-SL2 121.5,11 r90 top
L7 "220R@100MHz" INDC1005X55N 98.531,90.3 r180 top
L9 "90R@100MHz" IND_MURATA_DLW21S 8.475,18.322 r0 bottom
L? "1.5uH" IND_TDK_SPM6530 126.1,126.225 r0 top
LD1 "Red" LED_KINGBRIGHT_KPH-1608SURCK 26.679,73.787 r270 bottom
LD2 "Green" LED_KINGBRIGHT_KPH-1608CGCK 103.272,10.778 r270 top
LD3 "Green" LED_KINGBRIGHT_KPH-1608CGCK 102.614,58.197 r180 top
LD6 "Green" LED_KINGBRIGHT_KPH-1608CGCK 102.614,60.468 r180 top
LD10 "Green" LED_KINGBRIGHT_KPH-1608CGCK 64.2,128.125 r90 top
LD11 "Green/Green/HeRed/HeRed" LED_BIVAR_H485CHHGGDL 7.909,30.676 r0 top
LD12 "Green/Green/HeRed/HeRed" LED_BIVAR_H485CHHGGDL 7.87,35.782 r0 top
Q1 "8MHz" XTAL_TXC_7A 127.367,92.584 r180 top
Q2 "25MHz" XTAL_EPSON_TSX-3225 105.22,88.75 r180 top
R5 "51k" RESC1005X40N 99.594,78.577 r270 top
R6 "1k" RESC1005X40N 26.679,76.92 r90 bottom
R7 "2k2" RESC1005X40N 118.7,63.93 r270 top
R8 "2k2" RESC1005X40N 119.6,63.93 r270 top
R9 "10k" RESC1005X40N 161.79,112.2 r0 top
R10 "1k3" RESC1608X55N 99.666,60.476 r0 top
R11 "330" RESC1005X40N 97.2,89.3 r180 top
R12 "49R9" RESC1005X40N 98.991,96.96 r0 top
R13 "10k" RESC1005X40N 161.79,110 r0 top
R14 "82k" RESC1608X55N 132.75,7.022 r270 top
R15 "49R9" RESC1005X40N 101.136,96.952 r180 top
R16 "220" RESC1608X55N 126.734,20.502 r0 top
R17 "330" RESC1005X40N 94.794,96.374 r180 top
R18 "49R9" RESC1005X40N 99.606,91.725 r90 top
R19 "49R9" RESC1005X40N 101.09,91.725 r90 top
R20 "10k" RESC1005X40N 108.976,92.55 r180 bottom
R21 "10k" RESC1005X40N 108.945,91.575 r180 bottom
R22 "10k" RESC1005X40N 109.415,95.522 r180 bottom
R23 "33" RESC1005X40N 108.976,92.55 r180 top
R24 "33" RESC1005X40N 108.97,91.6 r180 top
R25 "10k" RESC1005X40N 108.976,94.55 r0 top
R26 "12k1" RESC1005X40N 102.145,91.775 r270 top
R27 "33" RESC1005X40N 109.44,95.522 r180 top
R28 "10k" RESC1005X40N 96.758,96.35 r0 top
R29 "33" RESC1005X40N 108.248,96.695 r180 top
R30 "33k" RESC1005X40N 128.141,49.163 r90 top
R31 "10k" RESC1005X40N 128.234,46.786 r90 top
R32 "10k" RESC1005X40N 115.153,81.069 r0 top
R33 "10k" RESC1005X40N 150.231,77.796 r180 bottom
R34 "10k" RESC1005X40N 132.828,65.399 r270 top
R35 "20k" RESC1005X40N 132.5,10.25 r90 top
R36_1 "0" RESC1005X40N 44.23,8.53 r0 top (schematic designator R36)
R36_2 "0" RESC1005X40N 44.23,18.53 r0 top (schematic designator R36)
R36_3 "0" RESC1005X40N 44.23,38.53 r0 top (schematic designator R36)
R36_4 "0" RESC1005X40N 44.23,28.53 r0 top (schematic designator R36)
R36_5 "0" RESC1005X40N 44.23,48.53 r0 top (schematic designator R36)
R36_6 "0" RESC1005X40N 44.23,58.53 r0 top (schematic designator R36)
R36_7 "0" RESC1005X40N 44.23,68.53 r0 top (schematic designator R36)
R36_8 "0" RESC1005X40N 44.23,78.53 r0 top (schematic designator R36)
R36_9 "0" RESC1005X40N 74.23,8.53 r0 top (schematic designator R36)
R36_10 "0" RESC1005X40N 74.23,18.53 r0 top (schematic designator R36)
R36_11 "0" RESC1005X40N 74.23,28.53 r0 top (schematic designator R36)
R36_12 "0" RESC1005X40N 74.23,38.53 r0 top (schematic designator R36)
R36_13 "0" RESC1005X40N 74.23,48.53 r0 top (schematic designator R36)
R36_14 "0" RESC1005X40N 74.23,58.53 r0 top (schematic designator R36)
R36_15 "0" RESC1005X40N 74.23,68.53 r0 top (schematic designator R36)
R36_16 "0" RESC1005X40N 74.23,78.53 r0 top (schematic designator R36)
R37 "0" RESC1608X55N 137.6,54.3 r0 top
R38 "0" RESC1608X55N 137.6,49.5 r0 top
R40 "0" RESC1608X55N 137.6,42.7 r0 top
R41 "0" RESC1608X55N 137.6,55.8 r0 top
R42 "0" RESC1608X55N 137.6,38 r0 top
R43 "0" RESC1608X55N 137.6,36.5 r0 top
R44 "0" RESC1608X55N 137.6,32.5 r0 top
R45 "0" RESC1608X55N 165.1,59.5 r180 top
R46 "0" RESC1608X55N 137.6,30.8 r0 top
R47 "0" RESC1608X55N 165.1,56.2 r180 top
R48 "0" RESC1608X55N 165.1,53.7 r180 top
R49 "0" RESC1608X55N 165.1,51.1 r180 top
R50 "0" RESC1608X55N 165.1,48.4 r180 top
R51 "0" RESC1608X55N 165.1,45.6 r180 top
R52 "0" RESC1608X55N 165.1,42.2 r180 top
R53 "10k" RESC1005X40N 134.218,91.175 r180 top
R54 "1k3" RESC1608X55N 69.3,128.925 r0 top
R55 "0" RESC1608X55N 165.1,39.7 r180 top
R56 "0" RESC1608X55N 165.1,37.2 r180 top
R57 "0" RESC1608X55N 165.1,34.5 r180 top
R58 "0" RESC1608X55N 165.1,31.7 r180 top
R59 "0" RESC1608X55N 165.1,28.3 r180 top
R60 "0" RESC1608X55N 165.1,25.7 r180 top
R61 "10k" RESC1005X40N 131.664,92.014 r0 top
R62 "10k" RESC1005X40N 150.156,69.121 r0 top
R63 "10k" RESC1005X40N 140.2,83.6 r0 top
R64 "10" RESC2012X60N 130.763,9.652 r270 top
R65 "1k3" RESC1608X55N 122.865,48.8 r90 top
R66 "82k" RESC1608X55N 127.383,12.647 r0 top
R67 "10k" RESC1005X40N 108.293,75.069 r270 top
R68 "82k" RESC1608X55N 120.6,47.458 r180 top
R69 "0R005" RESC3216X80N 125.85,54.711 r90 top
R70 "33" RESC1005X40N 112.151,89.175 r180 top
R71 "0" RESC1608X55N 165.1,23.2 r180 top
R72 "0" RESC1608X55N 165.1,20.5 r180 top
R73 "24k" RESC1608X55N 18.375,7.275 r180 bottom
R74 "0" RESC1608X55N 165.1,17.8 r180 top
R75 "10k" RESC1005X40N 128.328,63.294 r180 top
R76 "10k" RESC1005X40N 161.79,114.4 r0 top
R77 "10k" RESC1005X40N 161.79,113.3 r0 top
R78 "10k" RESC1005X40N 161.8,107.8 r0 top
R79 "10k" RESC1005X40N 161.79,106.7 r0 top
R80 "10k" RESC1005X40N 161.8,115.7 r0 top
R81 "1k6" RESC1005X40N 142.345,93.314 r90 top
R83 "6k8" RESC1005X40N 140.2,93.334 r90 top
R85 "33k" RESC1005X40N 118.415,49.448 r270 top
R86 "200" RESC1608X55N 137.6,9.95 r270 top
R90 "10k" RESC1005X40N 108.275,10.075 r270 bottom
R92 "1k6" RESC1005X40N 138,93.5 r90 top
R93 "6k8" RESC1005X40N 139,91.5 r270 top
R94 "1k3" RESC1608X55N 99.666,58.205 r0 top
R96 "82k" RESC1608X55N 105.825,80.3 r90 top
R97 "33" RESC1005X40N 104.8,70.4 r0 top
R98 "1k5" RESC1005X40N 117.647,90.037 r0 top
R99 "10k" RESC1005X40N 108.248,97.045 r180 bottom
R106 "2k2" RESC1005X40N 120.6,63.9 r270 top
R108 "100" RESC1005X40N 141.278,54.211 r0 top
R109 "100" RESC1005X40N 150.495,56.084 r90 top
R110 "100" RESC1005X40N 141.21,55.48 r0 top
R111 "100" RESC1005X40N 150.647,41.71 r90 top
R112 "100" RESC1005X40N 141.375,42.463 r0 top
R113 "100" RESC1005X40N 141.312,49.667 r0 top
R114 "100" RESC1005X40N 150.667,36.275 r90 top
R115 "100" RESC1005X40N 141.221,36.926 r0 top
R116 "100" RESC1005X40N 150.6,38.862 r90 top
R117 "100" RESC1005X40N 141.221,38.196 r0 top
R118 "100" RESC1005X40N 141.32,32.56 r0 top
R119 "2k2" RESC1005X40N 121.6,63.9 r270 top
R122 "100" RESC1005X40N 150.741,53.683 r90 top
R123 "100" RESC1005X40N 141.375,31.29 r0 top
R125 "10k" RESC1005X40N 143.529,96.631 r180 top
R131 "100" RESC1005X40N 126,60.221 r90 top
R133 "33" RESC1005X40N 96.399,95.335 r180 top
R134 "33" RESC1005X40N 96.369,94.435 r180 top
R135 "0" RESC1608X55N 13,5.8 r90 top
R136 "33" RESC1005X40N 96.429,92.3 r180 top
R137 "33" RESC1005X40N 96.399,91.285 r180 top
R141 "10k" RESC1005X40N 121.137,61.912 r180 top
R143 "1k" RESC1005X40N 14.665,30.256 r180 top
R144 "1k" RESC1005X40N 14.665,33.337 r180 top
R145 "1k" RESC1005X40N 14.665,31.283 r180 top
R146 "1k" RESC1005X40N 14.665,32.31 r180 top
R147 "1k" RESC1005X40N 14.665,34.364 r180 top
R148 "1k" RESC1005X40N 14.665,35.391 r180 top
R149 "1k" RESC1005X40N 14.665,36.418 r180 top
R150 "1k" RESC1005X40N 14.665,37.445 r180 top
R154 "10k" RESC1005X40N 120.578,59.848 r90 top
R173 "100" RESC1005X40N 150.683,50.25 r90 top
R174 "100" RESC1005X40N 150.741,33.274 r90 top
R175 "100" RESC1005X40N 150.741,30.398 r270 top
R194 "1k3" RESC1608X55N 136.77,20.071 r0 top
R195 "82k" RESC1608X55N 134.19,21.946 r90 top
R196 "33k" RESC1005X40N 138.02,22.526 r90 top
R197 "82k" RESC1608X55N 131.55,22.784 r180 top
R220 "0" RESC1608X55N 9.742,96.074 r180 bottom
R223 "0" RESC1608X55N 10.107,6.487 r180 bottom
R348_1 "442" RESC1608X55N 33.894,9.818 r180 top (schematic designator R348)
R348_2 "442" RESC1608X55N 33.894,19.818 r180 top (schematic designator R348)
R348_3 "442" RESC1608X55N 33.894,39.818 r180 top (schematic designator R348)
R348_4 "442" RESC1608X55N 33.894,29.818 r180 top (schematic designator R348)
R348_5 "442" RESC1608X55N 33.894,49.818 r180 top (schematic designator R348)
R348_6 "442" RESC1608X55N 33.894,59.818 r180 top (schematic designator R348)
R348_7 "442" RESC1608X55N 33.894,69.818 r180 top (schematic designator R348)
R348_8 "442" RESC1608X55N 33.894,79.818 r180 top (schematic designator R348)
R348_9 "442" RESC1608X55N 63.894,9.818 r180 top (schematic designator R348)
R348_10 "442" RESC1608X55N 63.894,19.818 r180 top (schematic designator R348)
R348_11 "442" RESC1608X55N 63.894,29.818 r180 top (schematic designator R348)
R348_12 "442" RESC1608X55N 63.894,39.818 r180 top (schematic designator R348)
R348_13 "442" RESC1608X55N 63.894,49.818 r180 top (schematic designator R348)
R348_14 "442" RESC1608X55N 63.894,59.818 r180 top (schematic designator R348)
R348_15 "442" RESC1608X55N 63.894,69.818 r180 top (schematic designator R348)
R348_16 "442" RESC1608X55N 63.894,79.818 r180 top (schematic designator R348)
R349_1 "22k" RESC1005X40N 31.202,10.121 r180 top (schematic designator R349)
R349_2 "22k" RESC1005X40N 31.202,20.121 r180 top (schematic designator R349)
R349_3 "22k" RESC1005X40N 31.202,40.121 r180 top (schematic designator R349)
R349_4 "22k" RESC1005X40N 31.202,30.121 r180 top (schematic designator R349)
R349_5 "22k" RESC1005X40N 31.202,50.121 r180 top (schematic designator R349)
R349_6 "22k" RESC1005X40N 31.202,60.121 r180 top (schematic designator R349)
R349_7 "22k" RESC1005X40N 31.202,70.121 r180 top (schematic designator R349)
R349_8 "22k" RESC1005X40N 31.202,80.121 r180 top (schematic designator R349)
R349_9 "22k" RESC1005X40N 61.202,10.121 r180 top (schematic designator R349)
R349_10 "22k" RESC1005X40N 61.202,20.121 r180 top (schematic designator R349)
R349_11 "22k" RESC1005X40N 61.202,30.121 r180 top (schematic designator R349)
R349_12 "22k" RESC1005X40N 61.202,40.121 r180 top (schematic designator R349)
R349_13 "22k" RESC1005X40N 61.202,50.121 r180 top (schematic designator R349)
R349_14 "22k" RESC1005X40N 61.202,60.121 r180 top (schematic designator R349)
R349_15 "22k" RESC1005X40N 61.202,70.121 r180 top (schematic designator R349)
R349_16 "22k" RESC1005X40N 61.202,80.121 r180 top (schematic designator R349)
R350_1 "3k9" RESC1608X55N 41.85,11.4 r270 top (schematic designator R350)
R350_2 "3k9" RESC1608X55N 41.85,21.4 r270 top (schematic designator R350)
R350_3 "3k9" RESC1608X55N 41.85,41.4 r270 top (schematic designator R350)
R350_4 "3k9" RESC1608X55N 41.85,31.4 r270 top (schematic designator R350)
R350_5 "3k9" RESC1608X55N 41.85,51.4 r270 top (schematic designator R350)
R350_6 "3k9" RESC1608X55N 41.85,61.4 r270 top (schematic designator R350)
R350_7 "3k9" RESC1608X55N 41.85,71.4 r270 top (schematic designator R350)
R350_8 "3k9" RESC1608X55N 41.85,81.4 r270 top (schematic designator R350)
R350_9 "3k9" RESC1608X55N 71.85,11.4 r270 top (schematic designator R350)
R350_10 "3k9" RESC1608X55N 71.85,21.4 r270 top (schematic designator R350)
R350_11 "3k9" RESC1608X55N 71.85,31.4 r270 top (schematic designator R350)
R350_12 "3k9" RESC1608X55N 71.85,41.4 r270 top (schematic designator R350)
R350_13 "3k9" RESC1608X55N 71.85,51.4 r270 top (schematic designator R350)
R350_14 "3k9" RESC1608X55N 71.85,61.4 r270 top (schematic designator R350)
R350_15 "3k9" RESC1608X55N 71.85,71.4 r270 top (schematic designator R350)
R350_16 "3k9" RESC1608X55N 71.85,81.4 r270 top (schematic designator R350)
R351_1 "10M" RESC1608X55N 40.276,11.374 r270 top (schematic designator R351)
R351_2 "10M" RESC1608X55N 40.276,21.374 r270 top (schematic designator R351)
R351_3 "10M" RESC1608X55N 40.276,41.374 r270 top (schematic designator R351)
R351_4 "10M" RESC1608X55N 40.276,31.374 r270 top (schematic designator R351)
R351_5 "10M" RESC1608X55N 40.276,51.374 r270 top (schematic designator R351)
R351_6 "10M" RESC1608X55N 40.276,61.374 r270 top (schematic designator R351)
R351_7 "10M" RESC1608X55N 40.276,71.374 r270 top (schematic designator R351)
R351_8 "10M" RESC1608X55N 40.276,81.374 r270 top (schematic designator R351)
R351_9 "10M" RESC1608X55N 70.276,11.374 r270 top (schematic designator R351)
R351_10 "10M" RESC1608X55N 70.276,21.374 r270 top (schematic designator R351)
R351_11 "10M" RESC1608X55N 70.276,31.374 r270 top (schematic designator R351)
R351_12 "10M" RESC1608X55N 70.276,41.374 r270 top (schematic designator R351)
R351_13 "10M" RESC1608X55N 70.276,51.374 r270 top (schematic designator R351)
R351_14 "10M" RESC1608X55N 70.276,61.374 r270 top (schematic designator R351)
R351_15 "10M" RESC1608X55N 70.276,71.374 r270 top (schematic designator R351)
R351_16 "10M" RESC1608X55N 70.276,81.374 r270 top (schematic designator R351)
R? "47k" RESC1608X55N 114.7,128.925 r0 top
R? "15k" RESC1608X55N 85.7,128.925 r0 top
R? "47k" RESC1608X55N 105.7,128.925 r0 top
ST1 "SCHROFF_PANEL_3U_4HP-Thermostat" "SCHROFF_PANEL_3HP_4U - Thermostat" 5.056,5.512 r0 top
SW1_1 "Switch" SW_OMRON_A6SN-1101 33.648,12.2 r180 top (schematic designator SW1)
SW1_2 "Switch" SW_OMRON_A6SN-1101 33.648,22.2 r180 top (schematic designator SW1)
SW1_3 "Switch" SW_OMRON_A6SN-1101 33.648,42.2 r180 top (schematic designator SW1)
SW1_4 "Switch" SW_OMRON_A6SN-1101 33.648,32.2 r180 top (schematic designator SW1)
SW1_5 "Switch" SW_OMRON_A6SN-1101 33.648,52.2 r180 top (schematic designator SW1)
SW1_6 "Switch" SW_OMRON_A6SN-1101 33.648,62.2 r180 top (schematic designator SW1)
SW1_7 "Switch" SW_OMRON_A6SN-1101 33.648,72.2 r180 top (schematic designator SW1)
SW1_8 "Switch" SW_OMRON_A6SN-1101 33.648,82.2 r180 top (schematic designator SW1)
SW1_9 "Switch" SW_OMRON_A6SN-1101 63.648,12.2 r180 top (schematic designator SW1)
SW1_10 "Switch" SW_OMRON_A6SN-1101 63.648,22.2 r180 top (schematic designator SW1)
SW1_11 "Switch" SW_OMRON_A6SN-1101 63.648,32.2 r180 top (schematic designator SW1)
SW1_12 "Switch" SW_OMRON_A6SN-1101 63.648,42.2 r180 top (schematic designator SW1)
SW1_13 "Switch" SW_OMRON_A6SN-1101 63.648,52.2 r180 top (schematic designator SW1)
SW1_14 "Switch" SW_OMRON_A6SN-1101 63.648,62.2 r180 top (schematic designator SW1)
SW1_15 "Switch" SW_OMRON_A6SN-1101 63.648,72.2 r180 top (schematic designator SW1)
SW1_16 "Switch" SW_OMRON_A6SN-1101 63.648,82.2 r180 top (schematic designator SW1)
T3 "SI4425DDY-T1-GE3" SOIC127P600X175-8N 120.465,53.526 r180 top
T4 "FDN86246" SOT95P237X112-3N 127.365,9.75 r270 top
T5 "BC857BV" SOTFL50P160X60-6N 120.5,49.55 r180 top
T6 "BSS138LT1G" SOT95P240X110-3N 126.415,17.916 r270 top
T9 "SI4425DDY-T1-GE3" SOIC127P600X175-8N 136.02,26.496 r0 top
T10 "BC857BV" SOTFL50P160X60-6N 136.299,22.296 r90 top
T11 "BSS138LT1G" SOT95P240X110-3N 131.087,19.071 r90 top
TP1 "Test Point" TPS127 149.987,18 r90 top
TP2 "Test Point" TPS127 147.235,18.052 r90 top
TP3 "Test Point" TPS127 97.076,60.524 r270 top
TP6 "Test Point" TPS127 102.517,6.325 r0 top
TP8 "Test Point" TPS127 97.076,58.179 r270 top
TP9 "Test Point" TPS127 97.076,48.84 r180 top
TP10 "Test Point" TPS127 73.1,128.625 r0 top
W1 "Header 4" SAMTEC_HTSW-104-23-L-S 142.9,68.92 r90 top
W2 "Header 10" SAMTEC_MTLW-110-07-L-S-250 117.3,95.756 r0 top

## Footprints (in the part's own frame and the unit in brackets; to place one, negate y for a bottom-side part, rotate by r counter-clockwise, add the part's x,y. Pads: shape width x height; smd on the part's side, far side on the other; paste and mask are expansions set on the pad)
3M_N2530-6002RB [mm] "30 Contacts - Straight .100\" x .100\" Low Profile Four-Wall Header"
  round 1.6 hole 1: 1(-17.78,-1.27) 2(-17.78,1.27) 3(-15.24,-1.27) 4(-15.24,1.27) 5(-12.7,-1.27) 6(-12.7,1.27) 7(-10.16,-1.27) 8(-10.16,1.27) 9(-7.62,-1.27) 10(-7.62,1.27) 11(-5.08,-1.27) 12(-5.08,1.27) 13(-2.54,-1.27) 14(-2.54,1.27) 15(0,-1.27) 16(0,1.27) 17(2.54,-1.27) 18(2.54,1.27) 19(5.08,-1.27) 20(5.08,1.27) 21(7.62,-1.27) 22(7.62,1.27) 23(10.16,-1.27) 24(10.16,1.27) 25(12.7,-1.27) 26(12.7,1.27) 27(15.24,-1.27) 28(15.24,1.27) 29(17.78,-1.27) 30(17.78,1.27)
  silkscreen extent -22.71,-4.85 22.71,4.52, body extent -22.71,-4.11 22.71,4.52, height 9.91
ABRACON_ARJM11C7-114-BA-EW2 [mm] "LAN Transformer, body 21.84x15.88mm"
  round 1.4 hole 0.9: 1(5.715,6.35) 2(4.445,8.89) 3(3.175,6.35) 4(1.905,8.89) 5(0.635,6.35) 6(-0.635,8.89) 7(-1.905,6.35) 8(-3.175,8.89) 9(-4.445,6.35) 10(-5.715,8.89)
  round 1.52 hole 1.02: L1(-6.8,-2.55) L2(-6.8,-4.58) L3(6.8,-2.55) L4(6.8,-4.58)
  round 3.25 hole 3.25 unplated: MH1(-5.715,0)
  round 3.2 hole 3.25 unplated: MH2(5.715,0)
  round 2.4 hole 1.6: S1(-7.845,3.05) S2(7.845,3.05)
  silkscreen extent -8.04,-10.87 8.04,10.63, body extent -10.33,-10.87 10.33,10.63, height 16.15